# KiCad board reg.kicad_pcb (continued)
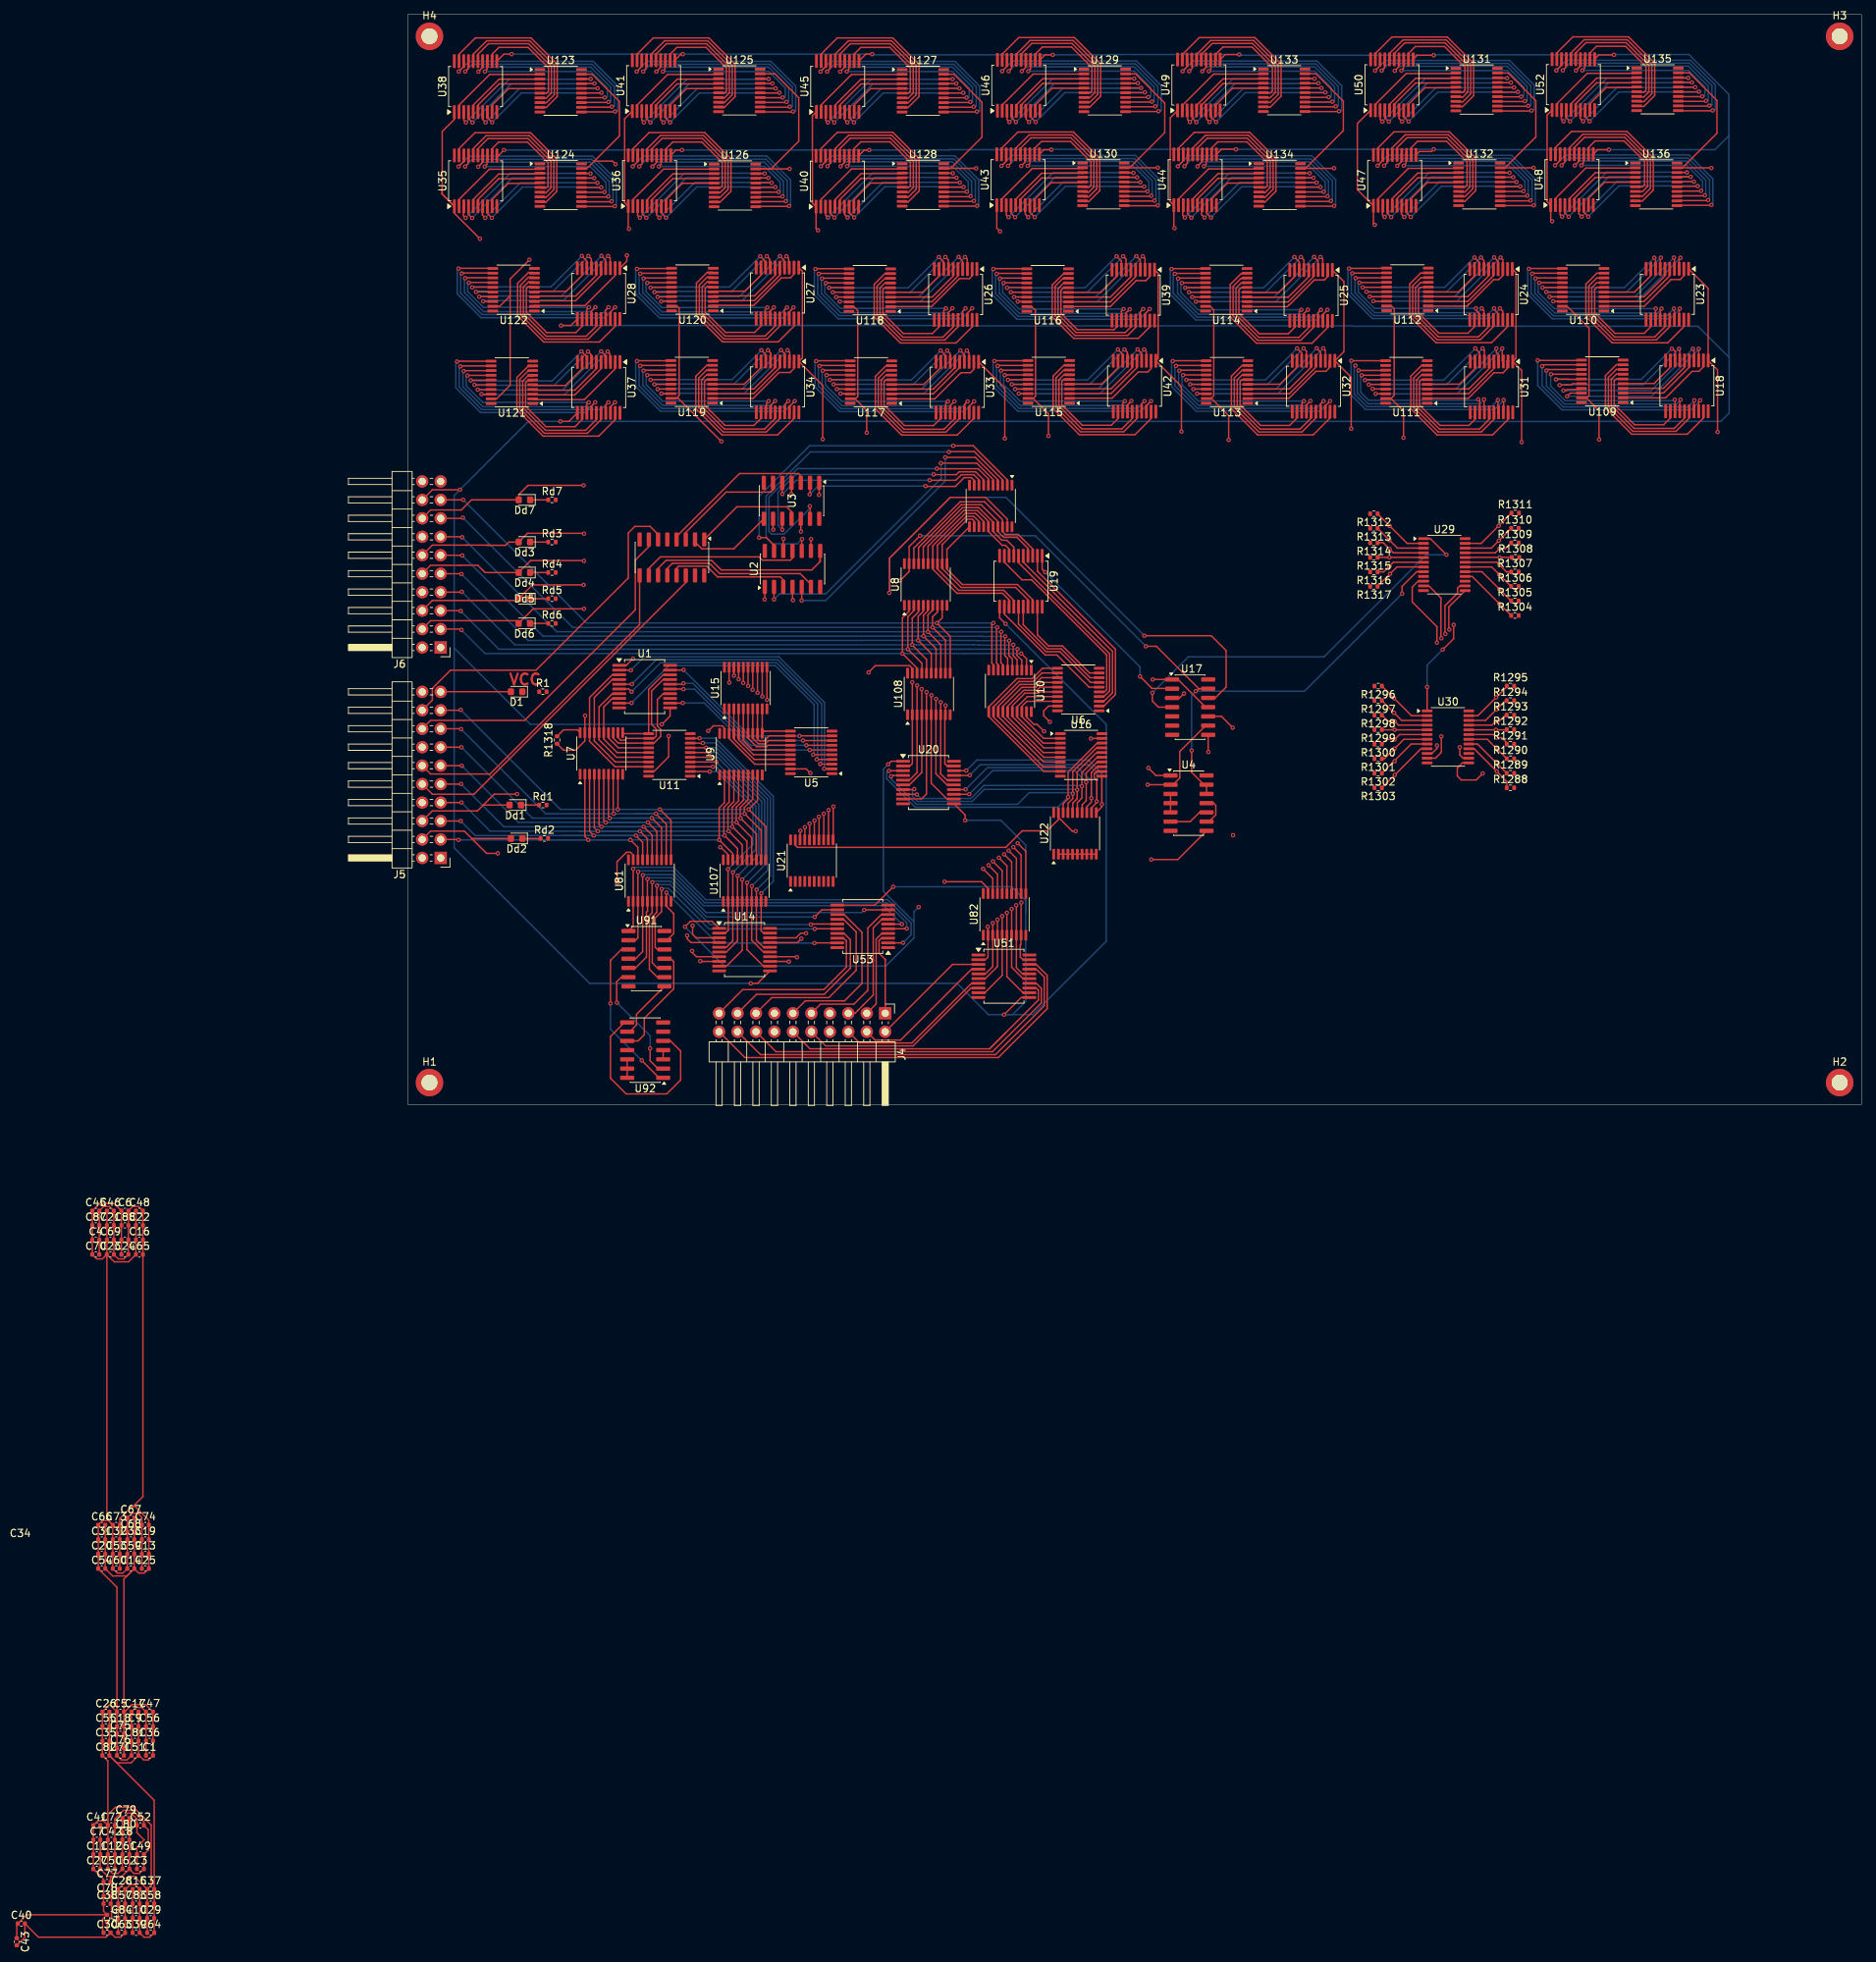
[diagram p0: board, top side]
## Routing (per net, layer and track width the routed paths; a pad name or vN(x,y) marks a point on that pad's centre or on a via; arc(x,y) is an arc through that point) (continued)
/16 bit buffor39/IN_1_2: length 10.8
  Top w0.2: 144.4,140.57 138.66,140.57 135.76,137.67 135.76,136.72
/16 bit buffor39/IN_1_3: length 8.6
  Top w0.2: 137.71,136.72 137.71,137.67 139.96,139.92 144.4,139.92
/16 bit buffor39/IN_1_4: length 14.6
  Top w0.2: 144.4,139.27 145.14,139.27 145.44,139.57 145.44,142.79 142.63,145.6 138.64,145.6 137.71,144.67 137.71,143.72
/16 bit buffor39/IN_1_5: length 18.3
  Top w0.2: 135.76,143.72 135.76,144.67 137.19,146.1 142.7,146.1 145.84,142.96 145.84,139.32 145.14,138.62 144.4,138.62
/16 bit buffor39/IN_1_6: length 20.6
  Top w0.2: 144.4,137.97 145.14,137.97 146.24,139.07 146.24,143.12 142.86,146.5 136.94,146.5 135.11,144.67 135.11,143.72
/16 bit buffor39/IN_1_7: length 24.2
  Top w0.2: 133.16,143.72 133.16,144.67 135.39,146.9 143.03,146.9 146.64,143.29 146.64,138.82 145.14,137.32 144.4,137.32
/16 bit buffor39/IN_1_8: length 13.9
  Top w0.2: 133.45,123.67 133.45,124.62 137.66,128.83 144.7,128.83
/16 bit buffor39/IN_1_9: length 11.9
  Top w0.2: 144.56,128.18 144.7,128.18 138.96,128.18 135.4,124.62 135.4,123.67
/16 bit buffor39/IN_1_10: length 10.8
  Top w0.2: 144.7,127.53 138.96,127.53 136.05,124.62 136.05,123.67
/16 bit buffor39/IN_1_11: length 8.6
  Top w0.2: 138,123.67 138,124.62 140.26,126.88 144.7,126.88
/16 bit buffor39/IN_1_12: length 14.6
  Top w0.2: 138,130.67 138,131.62 138.93,132.55 142.93,132.55 145.74,129.74 145.74,126.53 145.44,126.23 144.7,126.23
/16 bit buffor39/IN_1_13: length 18.3
  Top w0.2: 144.7,125.58 145.44,125.58 146.14,126.28 146.14,129.91 143,133.05 137.48,133.05 136.05,131.62 136.05,130.67
/16 bit buffor39/IN_1_14: length 20.6
  Top w0.2: 135.4,130.67 135.4,131.62 137.23,133.45 143.16,133.45 146.54,130.08 146.54,126.03 145.44,124.93 144.7,124.93
/16 bit buffor39/IN_1_15: length 24.2
  Top w0.2: 144.7,124.28 145.44,124.28 146.94,125.78 146.94,130.24 143.33,133.85 135.68,133.85 133.45,131.62 133.45,130.67
/16 bit buffor40/IN_1_0: length 13.9
  Top w0.2: 106.67,136.64 106.67,137.59 110.88,141.8 117.92,141.8
/16 bit buffor40/IN_1_1: length 11.9
  Top w0.2: 108.62,136.64 108.62,137.59 112.18,141.15 117.92,141.15 117.78,141.15
/16 bit buffor40/IN_1_2: length 10.8
  Top w0.2: 117.92,140.5 112.18,140.5 109.27,137.59 109.27,136.64
/16 bit buffor40/IN_1_3: length 8.6
  Top w0.2: 117.92,139.85 113.48,139.85 111.22,137.59 111.22,136.64
/16 bit buffor40/IN_1_4: length 14.6
  Top w0.2: 111.22,143.64 111.22,144.59 112.15,145.52 116.15,145.52 118.96,142.72 118.96,139.5 118.66,139.2 117.92,139.2
/16 bit buffor40/IN_1_5: length 18.3
  Top w0.2: 117.92,138.55 118.66,138.55 119.36,139.25 119.36,142.88 116.22,146.02 110.7,146.02 109.27,144.59 109.27,143.64
/16 bit buffor40/IN_1_6: length 20.6
  Top w0.2: 117.92,137.9 118.66,137.9 119.76,139 119.76,143.05 116.38,146.42 110.45,146.42 108.62,144.59 108.62,143.64
/16 bit buffor40/IN_1_7: length 24.2
  Top w0.2: 106.67,143.64 106.67,144.59 108.9,146.82 116.55,146.82 120.16,143.22 120.16,138.75 118.66,137.25 117.92,137.25
/16 bit buffor40/IN_1_8: length 13.9
  Top w0.2: 117.22,128.75 110.18,128.75 105.97,124.55 105.97,123.6
/16 bit buffor40/IN_1_9: length 11.9
  Top w0.2: 107.92,123.6 107.92,124.55 111.48,128.1 117.22,128.1 117.08,128.1
/16 bit buffor40/IN_1_10: length 10.8
  Top w0.2: 108.57,123.6 108.57,124.55 111.48,127.45 117.22,127.45
/16 bit buffor40/IN_1_11: length 8.6
  Top w0.2: 117.22,126.8 112.78,126.8 110.52,124.55 110.52,123.6
/16 bit buffor40/IN_1_12: length 14.6
  Top w0.2: 110.52,130.6 110.52,131.55 111.45,132.48 115.45,132.48 118.26,129.67 118.26,126.45 117.96,126.15 117.22,126.15
/16 bit buffor40/IN_1_13: length 18.3
  Top w0.2: 108.57,130.6 108.57,131.55 110,132.98 115.52,132.98 118.66,129.84 118.66,126.2 117.96,125.5 117.22,125.5
/16 bit buffor40/IN_1_14: length 20.6
  Top w0.2: 107.92,130.6 107.92,131.55 109.75,133.38 115.68,133.38 119.06,130 119.06,125.95 117.96,124.85 117.22,124.85
/16 bit buffor40/IN_1_15: length 24.2
  Top w0.2: 105.97,130.6 105.97,131.55 108.2,133.78 115.85,133.78 119.46,130.17 119.46,125.7 117.96,124.2 117.22,124.2
/16 bit buffor41/IN_1_0: length 13.9
  Top w0.2: 158.07,136.75 158.07,137.7 162.28,141.9 169.32,141.9
/16 bit buffor41/IN_1_1: length 11.9
  Top w0.2: 160.02,136.75 160.02,137.7 163.58,141.25 169.32,141.25 169.18,141.25
/16 bit buffor41/IN_1_2: length 10.8
  Top w0.2: 160.67,136.75 160.67,137.7 163.58,140.6 169.32,140.6
/16 bit buffor41/IN_1_3: length 8.6
  Top w0.2: 162.62,136.75 162.62,137.7 164.88,139.95 169.32,139.95
/16 bit buffor41/IN_1_4: length 14.6
  Top w0.2: 162.62,143.75 162.62,144.7 163.55,145.63 167.55,145.63 170.36,142.82 170.36,139.6 170.06,139.3 169.32,139.3
/16 bit buffor41/IN_1_5: length 18.3
  Top w0.2: 169.32,138.65 170.06,138.65 170.76,139.35 170.76,142.99 167.62,146.13 162.1,146.13 160.67,144.7 160.67,143.75
/16 bit buffor41/IN_1_6: length 20.6
  Top w0.2: 160.02,143.75 160.02,144.7 161.85,146.53 167.78,146.53 171.16,143.15 171.16,139.1 170.06,138 169.32,138
/16 bit buffor41/IN_1_7: length 24.2
  Top w0.2: 158.07,143.75 158.07,144.7 160.3,146.93 167.95,146.93 171.56,143.32 171.56,138.85 170.06,137.35 169.32,137.35
/16 bit buffor41/IN_1_8: length 13.9
  Top w0.2: 169.12,128.87 162.08,128.87 157.87,124.67 157.87,123.72
/16 bit buffor41/IN_1_9: length 11.9
  Top w0.2: 168.98,128.22 169.12,128.22 163.38,128.22 159.82,124.67 159.82,123.72
/16 bit buffor41/IN_1_10: length 10.8
  Top w0.2: 160.47,123.72 160.47,124.67 163.38,127.57 169.12,127.57
/16 bit buffor41/IN_1_11: length 8.6
  Top w0.2: 162.42,123.72 162.42,124.67 164.68,126.92 169.12,126.92
/16 bit buffor41/IN_1_12: length 14.6
  Top w0.2: 169.12,126.27 169.86,126.27 170.16,126.57 170.16,129.79 167.35,132.6 163.35,132.6 162.42,131.67 162.42,130.72
/16 bit buffor41/IN_1_13: length 18.3
  Top w0.2: 169.12,125.62 169.86,125.62 170.56,126.32 170.56,129.96 167.42,133.1 161.9,133.1 160.47,131.67 160.47,130.72
/16 bit buffor41/IN_1_14: length 20.6
  Top w0.2: 169.12,124.97 169.86,124.97 170.96,126.07 170.96,130.12 167.58,133.5 161.65,133.5 159.82,131.67 159.82,130.72
/16 bit buffor41/IN_1_15: length 24.2
  Top w0.2: 157.87,130.72 157.87,131.67 160.1,133.9 167.75,133.9 171.36,130.29 171.36,125.82 169.86,124.32 169.12,124.32
/16 bit register17/nWE: length 115.3
  Top w0.2: v1(38.15,24.45) 38.9,25.2 41.88,25.2 42.85,24.22 ; U4.8 105.95,33.7 v1(102.3,33.7) ; v1(66.1,46.8) 66.53,47.22 U20.1
  In3.Cu w0.2: v1(102.3,33.7) 89.15,33.7 83.15,27.7 70.85,27.7 v1(70.3,27.15)
  Bottom w0.2: 69.65,25.13 69.65,26.5 v1(70.3,27.15) 70.35,27.1 ; 69.65,25.13 65.45,29.33 65.45,46.15 v1(66.1,46.8) ; 69.65,25.13 69.65,22.9 65.8,19.05 43.55,19.05 v1(38.15,24.45) ; v1(102.3,33.7) 102.3,33.62
/16 bit register18/nWE: length 91.4
  Top w0.2: v1(87.7,73.25) 87.29,73.66 U19.1 ; v1(100.75,58.9) 102.4,57.25 105.14,57.25 U17.2 ; v1(31,61.35) 30.08,60.42 U1.1
  In3.Cu w0.2: v1(87.7,73.25) 87.45,73.5 43.15,73.5 v1(31,61.35)
  Bottom w0.2: v1(87.7,73.25) 100.75,60.2 v1(100.75,58.9)
/clk: length 1083.7
  Top w0.2: U47.11 139.18,131.15 140.85,131.15 v1(141.15,131.45) ; J6.18 3.39,84.59 7.19,84.59 v1(7.2,84.6) ; v1(66.8,29.95) 64.28,27.43 U53.11 ; v1(21.1,107.2) 22.45,107.2 U28.11 ; v1(21,94) 22.18,94 U37.11 ; U43.11 87.54,131.4 v1(88.55,131.4) ; v1(76.7,39.1) 76.7,39.82 U20.11 ; U14.11 48.12,16.65 v1(47.2,16.65) ; U35.11 12.51,130.61 v1(13.25,131.35) ; U46.11 87.68,144.45 v1(88.75,144.45) ; U40.11 62.82,131.35 v1(63.5,131.35) ; U38.11 13.23,144.55 v1(14.3,144.55) ; v1(37.85,144.55) 37.6,144.55 U41.11 ; U52.11 163.89,144.45 v1(165.95,144.45) ; v1(63.9,144.55) 63.03,144.55 U45.11 ; v1(113.95,131.45) 111.95,131.45 U44.11 ; U1.11 36.1,53.45 v1(34.96,52.31) ; v1(141.15,144.4) 138.9,144.4 138.32,143.83 ; v1(82.25,66.15) 81.44,66.96 U19.11 ; U49.11 112.47,144.5 v1(114.4,144.5) ; v1(82.05,12.35) 84.41,14.71 U51.11 ; v1(165.25,131.4) 163.72,131.4 U48.11 ; U36.11 36.92,131.35 v1(37.75,131.35)
  Bottom w0.2: 181.75,133.3 181.75,102.85 181.8,102.8 ; 181.75,133.3 179.85,131.4 v1(165.25,131.4) 141.2,131.4 v1(141.15,131.45) v1(113.95,131.45) 88.6,131.45 v1(88.55,131.4) 74.55,131.4 74.5,131.35 v1(63.5,131.35) v1(37.75,131.35) v1(13.25,131.35) ; 181.75,133.3 181.75,139.01 176.26,144.5 166,144.5 v1(165.95,144.45) 141.2,144.45 v1(141.15,144.4) 114.5,144.4 v1(114.4,144.5) 96.4,144.5 96.35,144.45 v1(88.75,144.45) 64,144.45 v1(63.9,144.55) v1(37.85,144.55) v1(14.3,144.55) ; v1(76.7,39.1) 81.61,39.1 85.03,35.68 85.03,14.18 83.2,12.35 v1(82.05,12.35) ; 85.03,26.5 85.03,28.02 83.1,29.95 v1(66.8,29.95) ; 130.24,94 16.6,94 v1(7.2,84.6) 6.4,83.8 6.4,62.8 ; 121.86,94.68 121.87,94.66 ; v1(34.96,52.31) 16.89,52.31 6.4,62.8 ; v1(82.05,12.35) 86,12.35 96.1,22.45 96.1,52.3 v1(82.25,66.15) ; v1(82.05,12.35) 79.9,12.35 75.6,16.65 v1(47.2,16.65) 25.05,16.65 6.4,35.3 6.4,62.8 ; 181.8,102.8 181.8,95.15 180.65,94 160.03,94 ; 181.8,102.8 177.5,107.1 130.05,107.1 ; 72.42,107.15 72.37,107.2 ; 130,107.15 77.6,107.15 ; 130.25,93.99 160.01,93.99 ; 77.55,107.2 v1(21.1,107.2) ; 121.31,107.1 121.26,107.15 ; 146.44,94.66 146.45,94.68
/data0: length 853
  Top w0.2: U81.18 31.67,35.38 v1(30.65,36.4) ; 101.61,102.25 101.61,103.6 v1(101.31,103.9) ; 48.41,141.15 49.63,141.15 v1(49.66,141.13) ; v1(134.09,135.28) 133.79,135.58 133.79,136.92 ; v1(25.18,141.13) 25.16,141.15 23.93,141.15 ; 107.31,136.85 107.31,135.5 v1(107.61,135.2) ; 27.81,101.98 27.81,103.32 v1(27.51,103.62) ; v1(7,36.4) 6.94,36.46 J5.3 ; U107.18 44.72,34.53 v1(42.85,36.4) 42.85,40.79 43.58,41.52 43.58,45.34 ; v1(133.17,97.8) 133.17,97.8 U111.18 ; v1(150.58,104.04) 150.58,102.4 U31.3 ; v1(176.17,141.28) 176.14,141.3 174.92,141.3 ; U109.18 159.93,97.89 v1(159.5,97.46) ; 36.15,97.8 34.92,97.8 v1(34.9,97.83) ; v1(99.94,141.18) 99.92,141.2 98.69,141.2 ; 82.48,136.85 82.48,135.51 v1(82.78,135.21) ; v1(151.25,141.25) 151.23,141.27 150,141.27 ; v1(24.85,36.4) 24.38,36.88 U7.2 ; 158.71,136.95 158.71,135.61 v1(159.01,135.31) ; v1(52.26,103.8) 52.56,103.5 52.56,102.15 ; v1(108.6,97.83) 108.63,97.8 109.85,97.8 ; 123.52,141.2 124.74,141.2 v1(124.77,141.17) ; 85.31,97.8 84.09,97.8 v1(84.06,97.83) ; v1(59.55,97.83) 59.58,97.8 60.8,97.8 ; 73.71,141.15 74.93,141.15 v1(74.96,141.12) ; 57.5,136.8 57.5,135.45 v1(57.8,135.15) ; 11.4,97.73 10.18,97.73 v1(10.15,97.76) ; v1(32.5,135.16) 32.2,135.46 32.2,136.8 ; 126.25,102.41 126.25,103.75 v1(125.95,104.05) ; U18.3 v1(177.61,103.99) ; v1(8.02,135.16) 7.72,135.46 7.72,136.8 ; v1(76.92,103.75) 77.22,103.45 77.22,102.11
  In3.Cu w0.2: v1(10.15,97.76) 3.69,97.76 0.3,101.15 0.3,136.55 4.88,141.13 v1(25.18,141.13)
  In4.Cu w0.2: 54.58,141.15 54.56,141.13 v1(25.18,141.13) ; v1(176.17,141.28) 176.14,141.25 v1(151.25,141.25) 151.18,141.17 v1(124.77,141.17) ; v1(159.5,97.46) 159.31,97.65 10.26,97.65 v1(10.15,97.76) ; 83.26,141.12 109.71,141.12 109.73,141.15 ; v1(10.15,97.76) 7.41,97.76 6.3,96.65 6.3,94.87 11.5,89.67 13.85,87.32 13.85,43.25 v1(7,36.4) ; v1(10.15,97.76) 10.29,97.62 ; 109.66,141.18 135.66,141.18 ; 83.13,141.15 83.11,141.13 54.6,141.13
  Bottom w0.2: 159.36,97.59 v1(159.5,97.46) 171.12,97.46 177.61,103.94 v1(177.61,103.99) ; v1(107.61,135.2) 113.54,141.13 124.99,141.13 ; 30.75,36.3 v1(30.65,36.4) v1(7,36.4) ; v1(125.95,104.05) 119.72,97.83 v1(108.6,97.83) ; v1(8.02,135.16) 13.95,141.08 25.4,141.08 ; v1(159.01,135.31) 164.94,141.23 176.39,141.23 ; v1(101.31,103.9) 95.24,97.83 v1(84.06,97.83) ; 75.17,141.08 63.72,141.08 v1(57.8,135.15) ; v1(133.17,97.8) 144.39,97.8 150.58,103.99 v1(150.58,104.04) ; 10.13,97.7 21.58,97.7 v1(27.51,103.62) ; v1(59.55,97.83) 71,97.83 v1(76.92,103.75) ; v1(32.5,135.16) 38.42,141.08 49.88,141.08 ; 19.2,36.4 v1(42.85,36.4) ; 34.88,97.87 46.33,97.87 v1(52.26,103.8) ; 151.47,141.2 140.02,141.2 v1(134.09,135.28) ; v1(82.78,135.21) 88.71,141.13 100.16,141.13
/data1: length 858.3
  Top w0.2: v1(151.76,140.63) 151.75,140.62 150,140.62 ; 83.13,136.85 83.13,135.74 v1(83.67,135.19) ; 85.31,98.45 83.56,98.45 v1(83.55,98.44) ; 125.6,102.41 125.6,103.52 v1(125.06,104.07) ; v1(100.42,103.91) 100.96,103.37 100.96,102.25 ; 123.52,140.55 125.27,140.55 v1(125.28,140.56) ; 107.96,136.85 107.96,135.73 v1(108.5,135.19) ; 51.91,102.15 51.91,103.27 v1(51.37,103.81) ; 8.37,136.8 8.37,135.69 v1(8.91,135.15) ; 174.92,140.65 176.67,140.65 v1(176.68,140.66) ; v1(76.03,103.76) 76.58,103.22 76.58,102.11 ; 107.94,135.63 107.94,136.74 ; v1(149.78,104.04) 149.78,103.5 150.08,103.2 U31.4 ; v1(75.47,140.51) 75.46,140.5 73.71,140.5 ; 159.34,135.73 159.34,136.85 ; v1(58.69,135.14) 58.15,135.68 58.15,136.8 ; 23.93,140.5 25.68,140.5 v1(25.69,140.51) ; v1(34.39,98.44) 34.4,98.45 36.15,98.45 ; v1(50.17,140.51) 50.16,140.5 48.41,140.5 ; v1(108.09,98.44) 108.1,98.45 109.85,98.45 ; U18.4 176.96,103.84 v1(176.81,103.99) ; v1(158.99,98.25) 159.36,98.25 159.51,98.39 161.33,98.39 U109.17 ; U107.17 45.38,35.22 v1(43.6,37) 43.5,37.1 43.5,40.88 44.22,41.6 U9.3 ; U7.3 25.02,37.57 v1(25.6,37) ; v1(26.62,103.64) 27.16,103.09 27.16,101.98 ; U81.17 32.33,36.07 v1(31.4,37) 31.35,37.05 ; 134.44,136.92 134.44,135.81 v1(134.99,135.26) ; v1(33.39,135.14) 32.85,135.69 32.85,136.8 ; 134.43,135.7 134.43,136.82 ; v1(100.45,140.56) 100.44,140.55 98.69,140.55 ; J5.5 v1(7.3,39) ; 83.12,135.63 83.12,136.75 ; v1(159.9,135.29) 159.36,135.84 159.36,136.95 ; 58.13,135.58 58.13,136.69 ; 32.83,135.58 32.83,136.7 ; 11.4,98.38 9.65,98.38 v1(9.64,98.37) ; v1(132.75,98.48) 132.78,98.45 U111.17 ; 51.88,103.22 51.88,102.11 ; 8.36,135.59 8.36,136.7 ; v1(59.04,98.44) 59.05,98.45 60.8,98.45 ; 27.23,103.2 27.23,102.08
  In3.Cu w0.2: v1(25.69,140.51) 4.83,140.51 0.7,136.38 0.7,101.32 3.64,98.37 v1(9.64,98.37)
  In4.Cu w0.2: 136.12,140.56 110.17,140.56 110.17,140.56 83.83,140.56 83.77,140.51 55.11,140.51 55.11,140.51 25.7,140.51 v1(25.69,140.51) ; v1(125.28,140.56) 125.36,140.63 v1(151.76,140.63) 151.79,140.66 v1(176.68,140.66) ; v1(158.99,98.25) 152.3,98.25 152.12,98.42 9.69,98.42 v1(9.64,98.37) 6.9,98.37 5.9,97.38 5.9,94.7 10.91,89.69 13.45,87.15 13.45,45.15 v1(7.3,39)
  Bottom w0.2: v1(31.4,37) 9.3,37 v1(7.3,39) ; 34.37,98.49 46.04,98.49 v1(51.37,103.81) ; v1(59.04,98.44) 70.71,98.44 v1(76.03,103.76) ; v1(26.62,103.64) 21.29,98.31 9.62,98.31 ; v1(125.06,104.07) 119.43,98.44 v1(108.09,98.44) ; v1(108.5,135.19) 113.83,140.51 125.5,140.51 ; v1(83.55,98.44) 94.95,98.44 v1(100.42,103.91) ; 25.91,140.47 14.24,140.47 v1(8.91,135.15) ; v1(58.69,135.14) 64.02,140.46 75.69,140.46 ; v1(158.99,98.25) 171.06,98.25 v1(176.81,103.99) ; 100.67,140.52 89,140.52 v1(83.67,135.19) ; v1(33.39,135.14) 38.72,140.47 50.39,140.47 ; v1(43.6,37) 21.5,37 ; v1(134.99,135.26) 140.31,140.59 151.98,140.59 ; v1(132.75,98.48) 144.22,98.48 v1(149.78,104.04) ; 176.9,140.62 165.23,140.62 v1(159.9,135.29)
/data2: length 826.8
  Top w0.2: v1(98.61,103.9) 99.01,103.5 99.01,102.25 ; v1(26.15,37.6) 25.67,38.07 U7.4 ; 48.41,139.85 50.61,139.85 v1(50.61,139.84) ; 73.71,139.85 75.91,139.85 v1(75.91,139.84) ; v1(100.89,139.9) 100.89,139.9 98.69,139.9 ; 31.86,37.69 v1(31.95,37.6) 32.98,36.57 32.98,33.66 ; U18.7 175.01,103.89 v1(174.91,103.99) ; U31.7 148.13,103.79 v1(147.88,104.04) ; v1(177.12,139.99) 177.12,140 174.92,140 ; v1(83.11,99.11) 83.12,99.1 85.31,99.1 ; v1(33.95,99.11) 33.95,99.1 36.15,99.1 ; 109.91,136.85 109.91,135.6 v1(110.31,135.2) ; v1(60.5,135.15) 60.1,135.55 60.1,136.8 ; v1(152.21,139.97) 152.2,139.97 150,139.97 ; 123.52,139.9 125.72,139.9 v1(125.72,139.89) ; v1(24.81,103.62) 25.21,103.22 25.21,101.98 ; v1(49.56,103.8) 49.96,103.4 49.96,102.15 ; v1(58.6,99.11) 58.6,99.1 60.8,99.1 ; 85.08,136.85 85.08,135.61 v1(85.48,135.21) ; v1(26.13,139.85) 26.13,139.85 23.93,139.85 ; v1(7.4,41.55) 7.39,41.54 J5.7 ; 136.39,136.92 136.39,135.68 v1(136.79,135.28) ; 10.32,136.8 10.32,135.56 v1(10.72,135.16) ; v1(9.2,99.04) 9.2,99.03 11.4,99.03 ; U107.16 46.03,35.72 v1(44.15,37.6) 44.06,37.69 44.06,40.87 44.88,41.69 U9.4 ; v1(161.71,135.31) 161.31,135.71 161.31,136.95 ; v1(158.46,98.99) 158.52,99.04 159.36,99.04 159.36,99.05 160.12,99.05 160.27,99.19 U109.16 ; 109.85,99.1 107.65,99.1 v1(107.65,99.11) ; v1(74.22,103.75) 74.62,103.35 74.62,102.11 ; 34.8,136.8 34.8,135.56 v1(35.2,135.16) ; v1(123.25,104.05) 123.65,103.65 123.65,102.41 ; U111.16 132.24,99.1 v1(132.21,99.07)
  In3.Cu w0.2: v1(9.2,99.04) 3.54,99.04 1.1,101.48 1.1,136.22 4.73,139.85 v1(26.13,139.85)
  In4.Cu w0.2: v1(125.72,139.89) 125.8,139.97 v1(152.21,139.97) 177.09,139.97 v1(177.12,139.99) ; 136.56,139.89 110.62,139.89 110.61,139.9 110.56,139.84 84.21,139.84 84.21,139.84 55.55,139.84 55.55,139.85 v1(26.13,139.85) ; v1(158.46,98.99) 158.37,99.08 9.24,99.08 v1(9.2,99.04) 6.46,99.04 5.5,98.09 5.5,94.54 10.36,89.68 13.05,86.99 13.05,47.2 v1(7.4,41.55)
  Bottom w0.2: v1(24.81,103.62) 20.16,98.98 9.18,98.98 ; v1(49.56,103.8) 44.91,99.15 33.93,99.15 ; v1(83.11,99.11) 93.82,99.11 v1(98.61,103.9) ; v1(44.15,37.6) 23.55,37.6 ; v1(60.5,135.15) 65.14,139.8 76.13,139.8 ; v1(10.72,135.16) 15.37,139.8 26.35,139.8 ; v1(35.2,135.16) 39.84,139.8 50.83,139.8 ; v1(123.25,104.05) 118.3,99.11 v1(107.65,99.11) ; 177.34,139.95 166.35,139.95 v1(161.71,135.31) ; v1(158.46,98.99) 158.52,99.04 159.36,99.04 159.36,99.05 169.96,99.05 v1(174.91,103.99) ; v1(7.4,41.55) 11.35,37.6 v1(31.95,37.6) ; v1(132.21,99.07) 132.23,99.09 142.93,99.09 v1(147.88,104.04) ; v1(110.31,135.2) 114.96,139.85 125.94,139.85 ; v1(85.48,135.21) 90.13,139.85 101.11,139.85 ; v1(136.79,135.28) 141.44,139.92 152.42,139.92 ; v1(58.6,99.11) 69.58,99.11 v1(74.22,103.75)
/data3: length 822.7
  Top w0.2: v1(8.67,99.65) 8.71,99.68 11.4,99.68 ; v1(101.42,139.29) 101.38,139.25 98.69,139.25 ; 137.01,135.84 137.01,136.96 ; 48.41,139.2 51.1,139.2 v1(51.13,139.24) ; v1(157.96,99.79) 158.26,99.79 158.29,99.82 159.64,99.82 159.66,99.79 161.43,99.79 U109.15 ; 161.93,135.87 161.93,136.99 ; v1(82.59,99.71) 82.63,99.75 85.31,99.75 ; 110.53,135.77 110.53,136.88 ; v1(107.13,99.71) 107.16,99.75 109.85,99.75 ; 49.29,103.08 49.29,101.97 ; 36.15,99.75 33.46,99.75 v1(33.42,99.71) ; v1(146.88,104.04) 147.48,103.44 U31.8 ; U81.15 33.62,37.05 v1(32.46,38.21) 32.45,38.23 ; v1(111.21,135.2) 110.54,135.87 ; v1(122.35,104.05) 123.02,103.38 123.02,102.27 ; 60.71,135.72 60.71,136.83 ; v1(36.1,135.16) 35.43,135.82 ; U111.15 131.76,99.75 v1(131.69,99.68) ; v1(173.91,103.99) 174.03,103.99 174.36,103.66 U18.8 ; 45.53,45.34 45.53,41.77 44.65,40.9 44.65,38.23 v1(44.66,38.21) 46.67,36.2 U107.15 ; v1(48.66,103.8) 49.33,103.13 ; 73.71,139.2 76.4,139.2 v1(76.43,139.23) ; 150,139.32 152.69,139.32 v1(152.73,139.36) ; 60.8,99.75 58.11,99.75 v1(58.07,99.71) ; v1(7.35,44.1) 7.33,44.08 J5.9 ; v1(177.64,139.39) 177.61,139.35 174.92,139.35 ; v1(11.62,135.16) 10.95,135.83 ; 123.52,139.25 126.21,139.25 v1(126.25,139.28) ; v1(61.4,135.15) 60.73,135.82 ; 10.94,135.73 10.94,136.84 ; U7.5 26.33,38.55 v1(26.66,38.21) ; 73.99,101.97 73.99,103.08 v1(73.33,103.75) ; 24.64,103.06 24.64,101.94 ; v1(86.38,135.21) 85.71,135.88 ; v1(137.69,135.28) 137.03,135.95 ; v1(26.66,139.24) 26.62,139.2 23.93,139.2 ; 98.38,102.11 98.38,103.23 v1(97.71,103.9) ; v1(162.61,135.31) 161.94,135.97 ; v1(23.91,103.62) 24.58,102.95
  In3.Cu w0.2: v1(8.67,99.65) 3.5,99.65 1.5,101.65 1.5,136.05 4.69,139.24 v1(26.66,139.24)
  In4.Cu w0.2: 137.09,139.28 137.08,139.29 84.79,139.29 84.74,139.23 56.08,139.23 56.07,139.24 26.66,139.24 v1(26.66,139.24) ; v1(177.64,139.39) 152.76,139.39 v1(152.73,139.36) 126.32,139.36 v1(126.25,139.28) ; v1(157.96,99.79) 157.88,99.71 8.73,99.71 v1(8.67,99.65) 5.93,99.65 5.1,98.81 5.1,94.37 9.96,89.52 12.65,86.82 12.65,49.4 v1(7.35,44.1)
  Bottom w0.2: v1(11.62,135.16) 11.62,135.18 15.65,139.2 26.87,139.2 26.87,139.2 ; v1(7.35,44.1) 13.24,38.21 v1(32.46,38.21) ; v1(146.88,104.04) 142.52,99.68 v1(131.69,99.68) ; v1(111.21,135.2) 111.21,135.22 115.24,139.25 126.46,139.25 126.46,139.24 ; v1(97.71,103.9) 93.52,99.71 82.6,99.71 v1(82.59,99.71) ; v1(173.91,103.99) 169.71,99.79 v1(157.96,99.79) ; v1(137.69,135.28) 137.69,135.29 141.72,139.32 152.94,139.32 152.94,139.31 ; 177.86,139.34 177.85,139.35 166.64,139.35 162.61,135.32 v1(162.61,135.31) ; 8.66,99.59 8.66,99.58 19.88,99.58 23.91,103.61 v1(23.91,103.62) ; 76.65,139.19 76.64,139.2 65.43,139.2 61.4,135.17 v1(61.4,135.15) ; 101.63,139.24 101.63,139.25 90.41,139.25 86.38,135.22 v1(86.38,135.21) ; v1(48.66,103.8) 48.66,103.78 44.63,99.75 33.41,99.75 33.41,99.76 ; 51.35,139.19 51.34,139.2 40.13,139.2 36.1,135.17 v1(36.1,135.16) ; v1(107.13,99.71) 107.13,99.71 118,99.71 v1(122.35,104.05) ; v1(73.33,103.75) 73.33,103.73 69.3,99.71 58.08,99.71 v1(58.07,99.71) ; v1(44.66,38.21) 25.44,38.21
/data4: length 854.6
  Top w0.2: 85.68,143.85 85.68,142.51 v1(85.38,142.21) ; v1(153.18,138.7) 153.15,138.67 150,138.67 ; v1(174.31,96.99) 174.36,96.94 U18.13 ; 33,38.85 v1(33.05,38.8) 34.27,37.57 U81.14 ; 134.41,100.52 134.24,100.35 131.46,100.35 131.45,100.34 v1(131.24,100.34) ; 60.8,100.4 57.65,100.4 v1(57.62,100.37) ; v1(126.7,138.63) 126.67,138.6 123.52,138.6 ; v1(178.1,138.73) 178.07,138.7 174.92,138.7 ; v1(60.4,142.15) 60.7,142.45 60.7,143.8 ; v1(82.13,100.37) 82.16,100.4 85.31,100.4 ; v1(8.22,100.3) 8.25,100.33 11.4,100.33 ; 98.36,95.15 98.36,96.5 v1(98.66,96.8) ; 123,95.16 123,96.5 v1(123.3,96.8) ; U7.6 26.98,39.07 v1(27.25,38.8) ; v1(10.62,142.16) 10.92,142.46 10.92,143.8 ; 23.93,138.55 27.08,138.55 v1(27.11,138.58) ; v1(136.69,142.28) 136.99,142.58 136.99,143.92 ; v1(74.33,96.75) 74.03,96.45 74.03,95.11 ; U107.14 47.33,36.72 v1(45.25,38.8) 45.2,38.85 45.2,40.88 46.17,41.85 U9.6 ; 98.69,138.6 101.84,138.6 v1(101.87,138.63) ; v1(157.28,100.49) U109.14 ; 24.61,94.98 24.61,96.32 v1(24.91,96.62) ; 49.36,95.15 49.36,96.5 v1(49.66,96.8) ; v1(161.61,142.31) 161.91,142.61 161.91,143.95 ; v1(51.59,138.58) 51.56,138.55 48.41,138.55 ; v1(32.97,100.37) 33,100.4 36.15,100.4 ; 35.4,143.8 35.4,142.46 v1(35.1,142.16) ; v1(7.45,46.6) 7.43,46.62 J5.11 ; v1(147.28,97.04) 147.48,96.84 U31.13 ; 110.51,143.85 110.51,142.5 v1(110.21,142.2) ; 109.85,100.4 106.7,100.4 v1(106.67,100.37) ; 73.71,138.55 76.86,138.55 v1(76.89,138.58)
  In3.Cu w0.2: v1(27.11,138.58) 11.12,138.58 11.05,138.65 4.66,138.65 1.9,135.89 1.9,101.81 3.41,100.3 v1(8.22,100.3)
  In4.Cu w0.2: v1(27.11,138.58) 56.52,138.58 56.53,138.58 85.19,138.58 85.19,138.58 111.53,138.58 111.59,138.63 111.59,138.63 137.54,138.63 ; v1(157.28,100.49) 157.13,100.34 8.25,100.34 v1(8.22,100.3) 5.48,100.3 4.7,99.53 4.7,94.21 12.25,86.66 12.25,51.4 v1(7.45,46.6) ; v1(178.1,138.73) 178.07,138.7 v1(153.18,138.7) 153.11,138.63 v1(126.7,138.63)
  Bottom w0.2: 51.81,138.54 51.95,138.68 51.95,139.89 49.68,142.16 v1(35.1,142.16) ; v1(57.62,100.37) 57.47,100.23 57.47,99.02 59.74,96.75 v1(74.33,96.75) ; v1(24.91,96.62) 10.33,96.62 8.06,98.89 8.06,100.1 8.2,100.24 ; 27.44,38.81 45.24,38.81 ; v1(131.24,100.34) 131.09,100.19 131.09,98.03 132.22,96.9 147.14,96.9 v1(147.28,97.04) ; v1(7.45,46.6) 15.24,38.81 33.04,38.81 v1(33.05,38.8) ; v1(106.67,100.37) 106.53,100.23 106.53,99.05 108.78,96.8 v1(123.3,96.8) ; 153.4,138.66 153.54,138.8 153.54,140.01 151.28,142.28 v1(136.69,142.28) ; v1(174.31,96.99) 174.17,96.86 159.25,96.86 157.24,98.86 157.24,100.45 v1(157.28,100.49) ; v1(49.66,96.8) 35.07,96.8 32.81,99.06 32.81,100.27 32.95,100.42 ; v1(10.62,142.16) 25.21,142.16 27.47,139.89 27.47,138.68 27.33,138.54 ; v1(110.21,142.2) 124.8,142.2 127.06,139.93 127.06,138.73 126.92,138.58 ; v1(98.66,96.8) 84.24,96.8 81.99,99.05 81.99,100.23 v1(82.13,100.37) ; 102.09,138.59 102.23,138.73 102.23,139.94 99.97,142.21 v1(85.38,142.21) ; v1(60.4,142.15) 74.98,142.15 77.25,139.88 77.25,138.68 77.11,138.53 ; 178.32,138.69 178.46,138.83 178.46,140.04 176.19,142.31 v1(161.61,142.31)
/data5: length 894.2
  Top w0.2: 123.52,137.95 127.15,137.95 v1(127.22,138.02) ; U7.7 27.62,39.57 v1(27.8,39.4) ; 60.8,101.05 57.17,101.05 v1(57.1,100.98) ; 109.85,101.05 106.22,101.05 v1(106.15,100.98) ; 73.71,137.9 77.34,137.9 v1(77.41,137.97) ; 23.93,137.9 27.56,137.9 v1(27.63,137.97) ; 98.69,137.95 102.32,137.95 v1(102.39,138.02) ; 48.41,137.9 52.04,137.9 v1(52.11,137.97) ; v1(34.21,142.14) 34.75,142.69 34.75,143.8 ; v1(153.7,138.09) 153.63,138.02 150,138.02 ; v1(7.7,100.92) 7.77,100.98 11.4,100.98 ; 161.26,143.95 161.26,142.84 v1(160.72,142.29) ; v1(50.55,96.81) 50.01,96.27 50.01,95.15 ; v1(135.8,142.26) 136.34,142.81 136.34,143.92 ; v1(178.62,138.12) 178.55,138.05 174.92,138.05 ; v1(81.62,100.98) 81.69,101.05 85.31,101.05 ; v1(7.4,49.15) 7.39,49.16 J5.13 ; 99.01,95.15 99.01,96.27 v1(99.56,96.81) ; v1(124.19,96.82) 123.65,96.27 123.65,95.16 ; v1(59.51,142.14) 60.05,142.68 60.05,143.8 ; v1(32.45,100.98) 32.52,101.05 36.15,101.05 ; v1(156.66,101) 156.67,100.99 156.67,100.99 156.82,101.14 U109.13 ; 85.03,143.85 85.03,142.74 v1(84.49,142.19) ; v1(148.08,97.04) 148.08,95.3 U31.14 ; 74.67,95.11 74.67,96.22 v1(75.22,96.76) ; 134.25,101.01 130.82,101.01 v1(130.82,101.02) ; v1(25.8,96.64) 25.26,96.09 25.26,94.98 ; U107.13 47.97,37.22 v1(45.8,39.4) 45.75,39.45 45.75,40.86 46.83,41.94 U9.7 ; 10.27,143.8 10.27,142.69 v1(9.73,142.15) ; 109.86,143.85 109.86,142.73 v1(109.32,142.19) ; 33.55,39.45 v1(33.6,39.4) 34.92,38.07 U81.13 ; U18.14 175.01,96.89 v1(175.11,96.99)
  In3.Cu w0.2: v1(27.63,137.97) 4.55,137.97 2.3,135.72 2.3,101.98 3.36,100.92 v1(7.7,100.92)
  In4.Cu w0.2: v1(27.63,137.97) 27.63,137.97 57.04,137.97 57.05,137.97 85.71,137.97 85.76,138.02 138.05,138.02 138.06,138.02 ; v1(156.66,101) 156.54,100.88 132.24,100.88 132.09,101.02 7.81,101.02 v1(7.7,100.92) 4.96,100.92 4.3,100.25 4.3,94.04 11.85,86.49 11.85,53.6 v1(7.4,49.15) ; v1(127.22,138.02) 153.62,138.02 v1(153.7,138.09) 153.73,138.12 v1(178.62,138.12)
  Bottom w0.2: v1(75.22,96.76) 74.6,96.15 59.78,96.15 57.02,98.91 57.02,100.9 v1(57.1,100.98) ; v1(160.72,142.29) 161.33,142.91 176.16,142.91 178.92,140.15 178.92,138.16 178.83,138.07 ; v1(50.55,96.81) 49.94,96.2 35.11,96.2 32.35,98.96 32.35,100.95 32.44,101.03 ; 52.32,137.92 52.41,138.01 52.41,140 49.65,142.76 34.82,142.76 v1(34.21,142.14) ; v1(109.32,142.19) 109.93,142.8 124.76,142.8 127.52,140.04 127.52,138.05 127.43,137.97 ; v1(99.56,96.81) 98.94,96.2 84.28,96.2 81.53,98.94 81.53,100.9 v1(81.62,100.98) ; v1(124.19,96.82) 123.58,96.2 108.81,96.2 106.07,98.94 106.07,100.9 v1(106.15,100.98) ; 102.61,137.98 102.69,138.06 102.69,140.05 99.93,142.81 85.1,142.81 v1(84.49,142.19) ; v1(130.82,101.02) 130.64,100.84 130.64,97.92 132.12,96.44 147.53,96.44 148.08,96.99 v1(148.08,97.04) ; v1(45.8,39.4) 29.35,39.4 ; v1(25.8,96.64) 25.19,96.02 10.36,96.02 7.6,98.78 7.6,100.77 7.69,100.85 ; v1(135.8,142.26) 136.41,142.88 151.24,142.88 154,140.12 154,138.13 153.92,138.05 ; 27.85,137.93 27.93,138.01 27.93,140 25.17,142.76 10.34,142.76 v1(9.73,142.15) ; 77.62,137.92 77.71,138 77.71,139.99 74.95,142.75 60.12,142.75 v1(59.51,142.14) ; v1(175.11,96.99) 175.11,96.94 174.56,96.39 159.15,96.39 156.66,98.87 156.66,100.99 v1(156.66,101) ; v1(7.4,49.15) 17.15,39.4 v1(33.6,39.4)
